# Altium PCB STM32H743VIT6.PcbDoc
Units mm, origin at the board's own origin, x right, y up, seen from the top; angles counter-clockwise.
Board outline 21 x 75 mm, 4 copper layers (Top Layer, Internal Plane 1 (Gnd), Internal Plane 2 (Vcc), Bottom Layer), stack 1.6 mm thick; 94 components, 128 nets, 419 pads, 192 vias.
Unrouted connection lines stored in the file: 77.
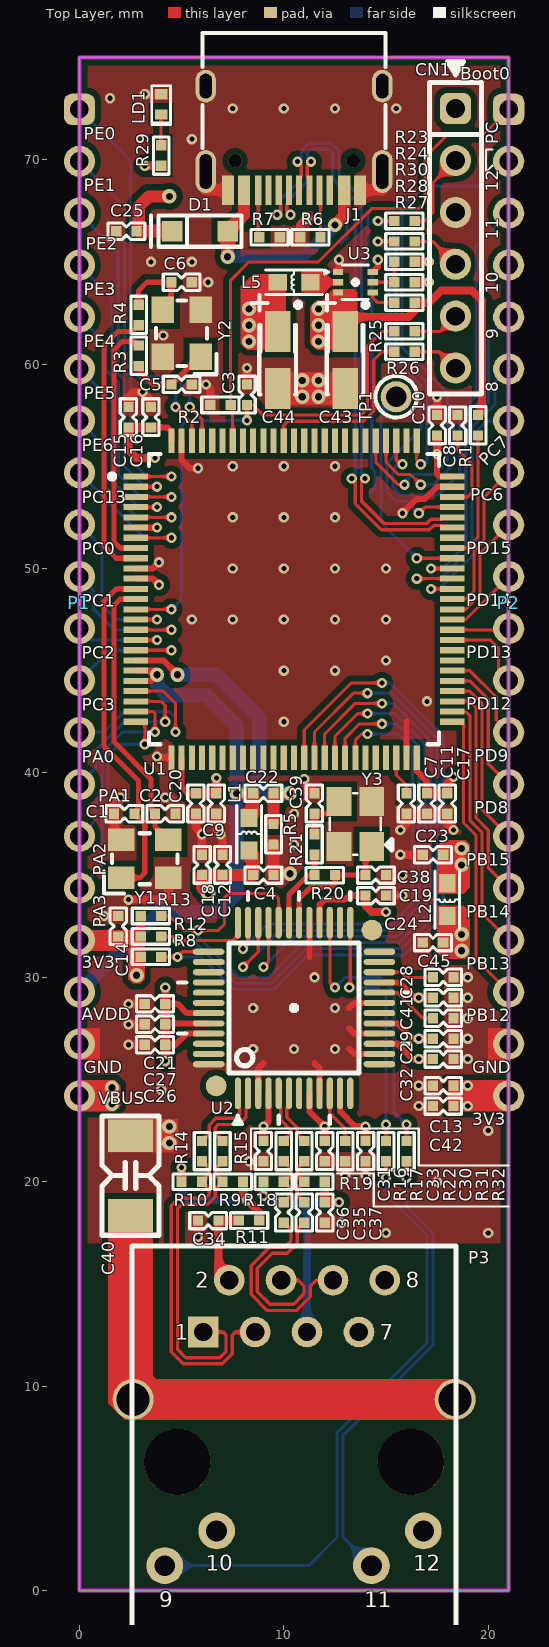
[diagram p0: Top Layer view]
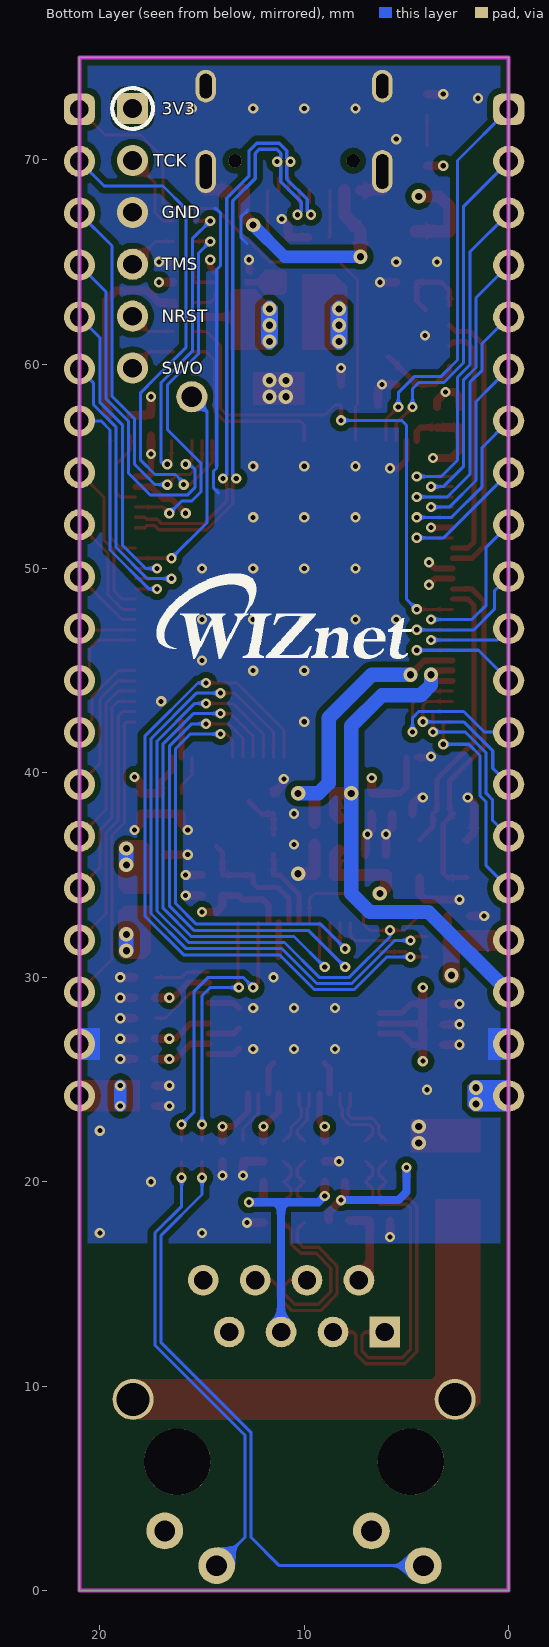
[diagram p1: Bottom Layer view, seen from below]
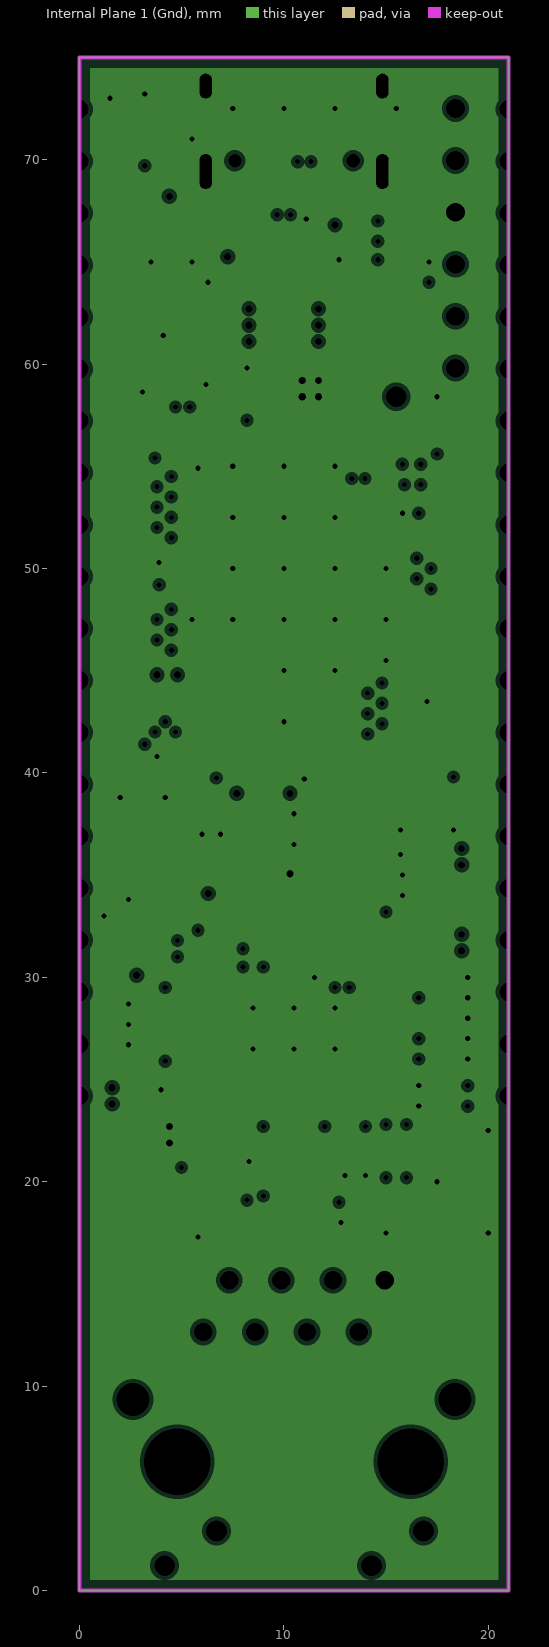
[diagram p2: Internal Plane 1 (Gnd), clearances drawn from the general rule]
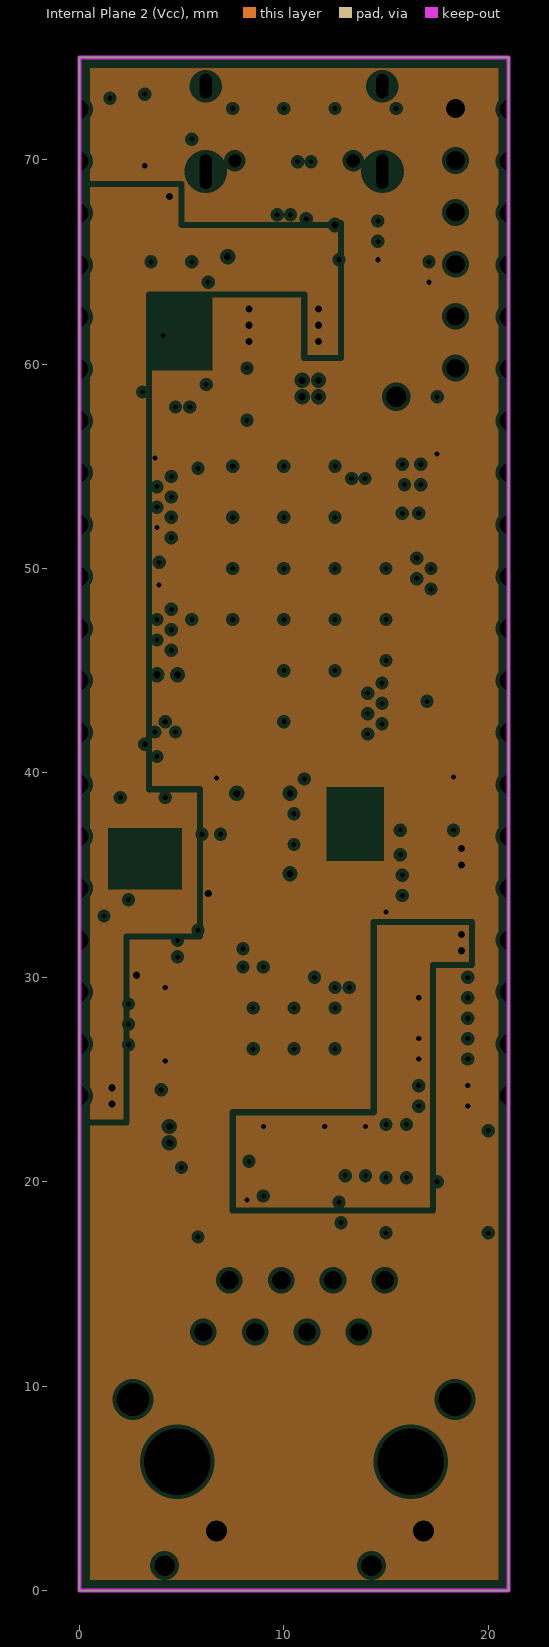
[diagram p3: Internal Plane 2 (Vcc), clearances drawn from the general rule]
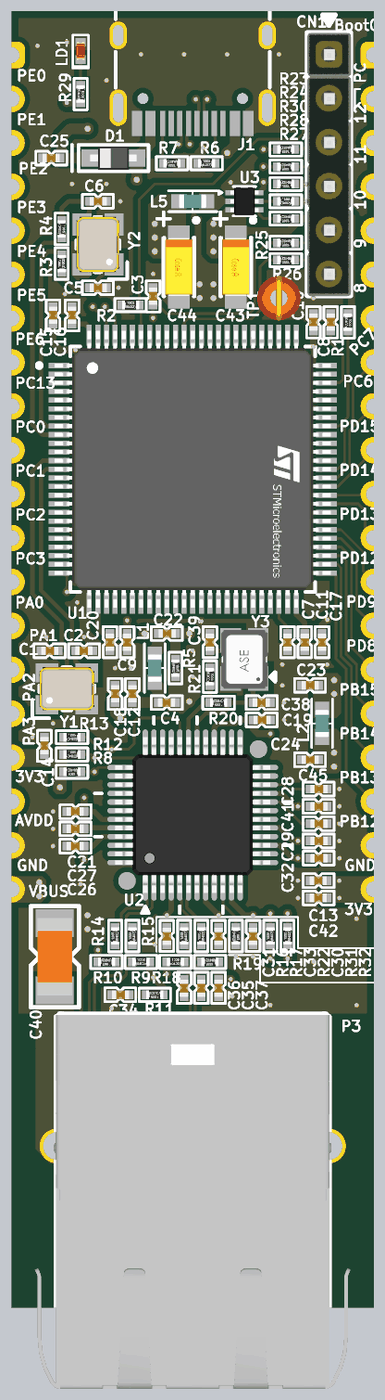
[diagram p4: 3D render of the assembled board from above, using the file's embedded part models]

## Layer stack, top to bottom
Top Solder: solder mask 0.01, Solder Resist, Dk 3.5
Top Layer: signal copper 0.05
Dielectric 1: prepreg 0.1, PP-006, Dk 4.1
Internal Plane 1 (Gnd): plane copper 0.1, net GND
Dielectric1: prepreg 1.1, FR-4, Dk 4.8
Internal Plane 2 (Vcc): plane copper 0.1, net 3V3
Dielectric 2: prepreg 0.1, PP-006, Dk 4.1
Bottom Layer: signal copper 0.05
Bottom Solder: solder mask 0.01, Solder Resist, Dk 3.5

## Board outline
0,0 21,0 21,75 0,75

## Design rules (kind name [scope] priority, off if disabled: settings)
BoardOutlineClearance [All] p1: gap=0.3 ignorepadtopadclearanceinfootprint=FALSE
Clearance [All] p1: gap=0.15 ignorepadtopadclearanceinfootprint=FALSE except(0.2: Arc-Hole Track-Hole SMDPad-Hole THPad-Hole Via-Hole Fill-Hole Poly-Hole Region-Hole Text-Hole; 0.3: Arc-Poly Track-Poly SMDPad-Poly THPad-Poly Via-Poly Fill-Poly Poly-Poly Poly-Region Poly-Text)
DiffPairsRouting [All] p1: maxlimit=0.135 minlimit=0.135 mostfreqgap=0.135 toplayer_minwidth=0.165 toplayer_maxwidth=0.165 toplayer_prefwidth=0.165 bottomlayer_minwidth=0.165 bottomlayer_maxwidth=0.165 bottomlayer_prefwidth=0.165 maxuncoupledlength=15.24
HoleSize [All] p1: absolutevalues=TRUE maxlimit=4.064 minlimit=0.025 maxpercent=80.000 minpercent=20.000
PlaneClearance [All] p1: clearance=0.2
PlaneConnect [All] p1: planeconnectstyle=Direct reliefexpansion=0.508 reliefentries=4 reliefconductorwidth=0.254 reliefairgap=0.254
PolygonConnect [All] p1: connectstyle=Direct reliefconductorwidth=0.6 reliefentries=4 polygonreliefangle="45 Angle" airgapwidth=0.35
RoutingVias [All] p1: holewidth=0.25 width=0.5 viastyle="Through Hole" minholewidth=0.2 minwidth=0.4 maxholewidth=0.4 maxwidth=0.8
SolderMaskExpansion [All] p1: expansion=0 istentingtop=FALSE
Width [All] p1: maxlimit=10 minlimit=0.075 preferedwidth=0.15
26 further rules are at their usual default settings.

## Classes and differential pairs
component class STM32H743VIT6: C1 C2 C3 C4 C5 C6 C7 C8 C9 C10 C11 C12 C13 C14 C15 C16 C17 C18 C19 C20 C21 C22 L1 P1 P2 R1 R2 R3 R4 R5 TP1 U1 Y1 Y2
component class Connector: C23 C24 C25 C26 C27 C28 C29 C30 C31 C32 C33 C34 C35 C36 C37 C38 C39 C40 C41 C42 C43 C44 C45 CN1 D1 J1 L2 L5 LD1 P3 R6 R7 R8 R9 R10 R11 R12 R13 R14 R15 R16 R17 R18 R19 R20 R21 R22 R23 R24 R25 R26 R27 R28 R29 R30 R31 R32 U2 U3 Y3
differential pair NewDifferentialPair7: +NetP3_3 -NetP3_1
differential pair NewDifferentialPair6: +NetR14_2 -NetR15_2
differential pair NewDifferentialPair5: +NetC36_2 -NetC35_2
differential pair NewDifferentialPair3: +NetC36_1 -NetC35_1
differential pair NewDifferentialPair2: +NetR16_2 -NetR17_2
differential pair NewDifferentialPair1: +PA12 -PA11
differential pair NewDifferentialPair4: +NetR15_2 -""

## Components (designator, comment, footprint, x,y, rotation, side; value= is the part's Value field where it differs from the comment)
C1 "18pF" CAP-0402 2.2,38 r0 top
C2 "18pF" CAP-0402 4.2,38 r180 top
C3 "100nF" CAP-0402 8.2,58.5 r90 top value=10nF
C4 "1uF_X5R" CAP-0402 9,35 r180 top
C5 "12pF" CAP-0402 5,59 r0 top
C6 "12pF" CAP-0402 5,64 r0 top
C7 "2.2uF_X7R" CAP-0402 16,38.5 r270 top value=2.2uF
C8 "2.2uF_X7R" CAP-0402 18.5,57 r90 top value=2.2uF
C9 "100nF" CAP-0402 6.7,38.5 r270 top value=10nF
C10 "100nF" CAP-0402 17.5,57 r90 top value=10nF
C11 "100nF" CAP-0402 17,38.5 r270 top value=10nF
C12 "100nF" CAP-0402 7,35.5 r90 top value=10nF
C13 "100nF" CAP-0402 17.8,24.7 r180 top value=10nF
C14 "100nF" CAP-0402 1.9,32.5 r90 top value=10nF
C15 "100nF" CAP-0402 2.4,57.4 r90 top value=10nF
C16 "100nF" CAP-0402 3.5,57.4 r90 top value=10nF
C17 "100nF" CAP-0402 18,38.5 r270 top value=10nF
C18 "100nF" CAP-0402 6,35.5 r90 top value=10nF
C19 "100nF" CAP-0402 14.5,34 r0 top value=10nF
C20 "100nF" CAP-0402 5.7,38.5 r270 top value=10nF
C21 "4.7uF_X5R" CAP-0402 3.7,28.7 r180 top value=1킚
C22 "100nF" CAP-0402 9,39 r0 top value=10nF
C23 "1uF_X5R" CAP-0402 17.3,36 r0 top
C24 "1uF_X5R" CAP-0402 17.3,31.7 r0 top
C25 "100nF" CAP-0402 2.3,66.5 r180 top value=10nF
C26 "100nF" CAP-0402 3.7,26.7 r180 top value=10nF
C27 "100nF" CAP-0402 3.7,27.7 r180 top value=10nF
C28 "100nF" CAP-0402 17.8,29 r0 top value=10nF
C29 "100nF" CAP-0402 17.8,27 r0 top value=10nF
C30 "100nF" CAP-0402 14,21.5 r270 top value=10nF
C31 "100nF" CAP-0402 9,21.5 r270 top value=10nF
C32 "100nF" CAP-0402 17.8,26 r0 top value=10nF
C33 "100nF" CAP-0402 12,21.5 r270 top value=10nF
C34 "22nF" CAP-0402 6.3,18.1 r0 top
C35 "6.8nF" CAP-0402 11,18.5 r270 top
C36 "6.8nF" CAP-0402 10,18.5 r270 top
C37 "100nF" CAP-0402 12,18.5 r270 top value=10nF
C38 "18pF" CAP-0402 14.5,35 r180 top
C39 "18pF" CAP-0402 11.5,38.5 r270 top
C40 "1nF/2kV" CAP-1808 2.5,20.3 r270 top
C41 "4.7uF_X5R" CAP-0402 17.8,28 r0 top value=1킚
C42 "100nF" CAP-0402 17.8,23.7 r180 top value=10nF
C43 "22uF/25V" "CAP-A Size-(2+)" 13,60.2 r270 top
C44 "22uF/25V" "CAP-A Size-(2+)" 9.7,60.2 r270 top
C45 "100nF" CAP-0402 17.8,30 r0 top value=10nF
CN1 "Header 6X1" IDC-1X6 18.4,72.5 r270 top
D1 "BAT60A" SOD-323(1-C,2-A) 5.9,66.5 r180 top
J1 "USB C type 16pin" USB-C-ED-UC-024 10.5,68.5 r180 top
L1 "HH-1M1608-121JT" IND-0603 8.3,37 r90 top
L2 "HH-1M1608-121JT" IND-0603 18,33.8 r270 top
L5 "HH-1M1608-121JT" IND-0603 10.5,64 r180 top
LD1 "RED-0402" LED-0402-RED 4,72.7 r90 top
P1 "Header 20" IDC-1X20 0,72.46 r270 top
P2 "Header 20" IDC-1X20 21,72.46 r270 top
P3 "J1B1211CCD" RJ45-J1B1211CCD 10.5,-1.5 r0 top
R1 "10K" RES-0402 19.5,57 r270 top
R2 "10K" RES-0402 6.9,58 r0 top value=1K
R3 "0R/1%" RES-0402 2.9,60.4 r90 top
R4 "0R/1%" RES-0402 2.9,62.4 r270 top
R5 "0R/1%" RES-0402 9.5,37 r270 top
R6 "5.1K" RES-0402 11.3,66.2 r0 top value=10K
R7 "5.1K" RES-0402 9.3,66.2 r180 top value=10K
R8 "4.7K" RES-0402 3.5,31 r180 top
R9 "49.9R" RES-0402 7.5,20 r0 top
R10 "49.9R" RES-0402 5.5,20 r180 top
R11 "10R/1%" RES-0402 8.3,18.1 r180 top
R12 "4.7K" RES-0402 3.5,32 r0 top
R13 "4.7K" RES-0402 3.5,33 r0 top
R14 "3.3R" RES-0402 6,21.5 r90 top
R15 "3.3R" RES-0402 7,21.5 r90 top
R16 "3.3R" RES-0402 10,21.5 r90 top
R17 "3.3R" RES-0402 11,21.5 r90 top
R18 "49.9R" RES-0402 9.5,20 r0 top
R19 "49.9R" RES-0402 11.5,20 r180 top
R20 "1M" RES-0402 12,35 r180 top
R21 "0R/1%" RES-0402 11.5,36.5 r270 top
R22 "12.4K/1%" RES-0402 13,21.5 r270 top
R23 "22R" RES-0402 15.9,67 r180 top value=10K
R24 "22R" RES-0402 15.9,66 r180 top value=10K
R25 "22R" RES-0402 15.9,61.6 r180 top value=10K
R26 "22R" RES-0402 15.9,60.6 r180 top value=10K
R27 "100K/1%" RES-0402 15.9,63 r180 top
R28 "200K/1%" RES-0402 15.9,64 r0 top
R29 "470R" RES-0402 4,70.2 r270 top
R30 "44.2K/1%" RES-0402 15.9,65 r180 top
R31 "470R" RES-0402 15,21.5 r90 top
R32 "470R" RES-0402 16,21.5 r90 top
TP1 "USB_SOF" TP 15.5,58.4 r180 top
U1 "STM32H743VIT6" FP-LQFP100-1L-MFG 10.5,48.5 r0 top
U2 "W5500" LQFP48(0.5/9.0) 10.5,28.5 r90 top
U3 "MP1602GTF-Z" SOT-563 13.5,64 r270 top
Y1 "25MHz" OSC-S3225A 3.2,35.8 r0 top
Y2 "32.768KHz" OSC-S3225A 5,61.5 r90 top
Y3 "25MHz" OSC-82J0626 13.5,37.5 r90 top

## Footprints (in the part's own frame and the unit in brackets; to place one, negate y for a bottom-side part, rotate by r counter-clockwise, add the part's x,y. Pads: shape width x height; smd on the part's side, far side on the other; paste and mask are expansions set on the pad)
CAP-0402 [mm]
  rect 0.5x0.5 smd: 1(-0.5,0) 2(0.5,0)
  silkscreen extent -0.9,-0.4 0.9,0.4, body extent -0.48,-0.25 0.52,0.25, height 0.6
CAP-1808 [mm] "Ceramic CAP 1808(4520)"
  rect 1.6x2.2 smd: 1(-1.95,0) 2(1.95,0)
  silkscreen extent -2.92,-1.4 2.92,1.4, body extent -2.25,-1.02 2.25,1.01, height 2
"CAP-A Size-(2+)" [mm] "Tantal CAP A Size EIA/IECQ 3216"
  rect 2x1.25 smd: 1(1.4,0) 2(-1.4,0)
  silkscreen extent -3.17,-1.27 1.7,1.12, body extent -1.7,-0.8 1.7,0.8, height 1.75
FP-LQFP100-1L-MFG [mm]
  rect 1.2x0.3 smd paste+0 mask+0: 1(-7.75,6) 2(-7.75,5.5) 3(-7.75,5) 4(-7.75,4.5) 5(-7.75,4) 6(-7.75,3.5) 7(-7.75,3) 8(-7.75,2.5) 9(-7.75,2) 10(-7.75,1.5) 11(-7.75,1) 12(-7.75,0.5) 13(-7.75,0) 14(-7.75,-0.5) 15(-7.75,-1) 16(-7.75,-1.5) 17(-7.75,-2) 18(-7.75,-2.5) 19(-7.75,-3) 20(-7.75,-3.5) 21(-7.75,-4) 22(-7.75,-4.5) 23(-7.75,-5) 24(-7.75,-5.5) 25(-7.75,-6) 51(7.75,-6) 52(7.75,-5.5) 53(7.75,-5) 54(7.75,-4.5) 55(7.75,-4) 56(7.75,-3.5) 57(7.75,-3) 58(7.75,-2.5) 59(7.75,-2) 60(7.75,-1.5) 61(7.75,-1) 62(7.75,-0.5) 63(7.75,0) 64(7.75,0.5) 65(7.75,1) 66(7.75,1.5) 67(7.75,2) 68(7.75,2.5) 69(7.75,3) 70(7.75,3.5) 71(7.75,4) 72(7.75,4.5) 73(7.75,5) 74(7.75,5.5) 75(7.75,6)
  rect 0.3x1.2 smd paste+0 mask+0: 26(-6,-7.75) 27(-5.5,-7.75) 28(-5,-7.75) 29(-4.5,-7.75) 30(-4,-7.75) 31(-3.5,-7.75) 32(-3,-7.75) 33(-2.5,-7.75) 34(-2,-7.75) 35(-1.5,-7.75) 36(-1,-7.75) 37(-0.5,-7.75) 38(0,-7.75) 39(0.5,-7.75) 40(1,-7.75) 41(1.5,-7.75) 42(2,-7.75) 43(2.5,-7.75) 44(3,-7.75) 45(3.5,-7.75) 46(4,-7.75) 47(4.5,-7.75) 48(5,-7.75) 49(5.5,-7.75) 50(6,-7.75) 76(6,7.75) 77(5.5,7.75) 78(5,7.75) 79(4.5,7.75) 80(4,7.75) 81(3.5,7.75) 82(3,7.75) 83(2.5,7.75) 84(2,7.75) 85(1.5,7.75) 86(1,7.75) 87(0.5,7.75) 88(0,7.75) 89(-0.5,7.75) 90(-1,7.75) 91(-1.5,7.75) 92(-2,7.75) 93(-2.5,7.75) 94(-3,7.75) 95(-3.5,7.75) 96(-4,7.75) 97(-4.5,7.75) 98(-5,7.75) 99(-5.5,7.75) 100(-6,7.75)
  silkscreen extent -9.02,-7.1 7.1,7.1, body extent -8.45,-8.45 8.45,8.45, height 0.25
IDC-1X6 [mil] "6-Way 2.54 mm Male Header"
  rrect50% 60x60 hole 36: 1(0,0)
  round 60 hole 36: 2(100,0) 3(200,0) 4(300,0) 5(400,0) 6(500,0)
  silkscreen extent -90,-50 550,50, body extent -49,-49 551,51, height 336
IDC-1X20 [mil]
  rrect50% 60x60 hole 36: 1(0,0)
  round 60 hole 36: 2(100,0) 3(200,0) 4(300,0) 5(400,0) 6(500,0) 7(600,0) 8(700,0) 9(800,0) 10(900,0) 11(1000,0) 12(1100,0) 13(1200,0) 14(1300,0) 15(1400,0) 16(1500,0) 17(1600,0) 18(1700,0) 19(1800,0) 20(1900,0)
IND-0603 [mm] "Inductor 0603(1608)"
  rect 0.89x0.82 smd: 1(-0.8,0) 2(0.8,0)
  silkscreen extent -1.4,-0.6 1.4,0.6, body extent -0.8,-0.4 0.8,0.4, height 0.95
LED-0402-RED [mm]
  rect 0.5x0.6 smd: 1(-0.5,0) 2(0.5,0)
  silkscreen extent -1,-0.46 0.91,0.46, body extent -0.5,-0.25 0.51,0.25, height 0.45
LQFP48(0.5/9.0) [mm]
  round 1.016 smd: 0(-3.81,3.81) 0(3.81,-3.81)
  oval 1.55x0.3 smd: 1(-4.175,2.75) 2(-4.175,2.25) 3(-4.175,1.75) 4(-4.175,1.25) 5(-4.175,0.75) 6(-4.175,0.25) 7(-4.175,-0.25) 8(-4.175,-0.75) 9(-4.175,-1.25) 10(-4.175,-1.75) 11(-4.175,-2.25) 12(-4.175,-2.75) 25(4.175,-2.75) 26(4.175,-2.25) 27(4.175,-1.75) 28(4.175,-1.25) 29(4.175,-0.75) 30(4.175,-0.25) 31(4.175,0.25) 32(4.175,0.75) 33(4.175,1.25) 34(4.175,1.75) 35(4.175,2.25) 36(4.175,2.75)
  oval 0.3x1.55 smd: 13(-2.75,-4.175) 14(-2.25,-4.175) 15(-1.75,-4.175) 16(-1.25,-4.175) 17(-0.75,-4.175) 18(-0.25,-4.175) 19(0.25,-4.175) 20(0.75,-4.175) 21(1.25,-4.175) 22(1.75,-4.175) 23(2.25,-4.175) 24(2.75,-4.175) 37(2.75,4.175) 38(2.25,4.175) 39(1.75,4.175) 40(1.25,4.175) 41(0.75,4.175) 42(0.25,4.175) 43(-0.25,4.175) 44(-0.75,4.175) 45(-1.25,4.175) 46(-1.75,4.175) 47(-2.25,4.175) 48(-2.75,4.175)
  silkscreen extent -5.67,-5.67 5.68,5.68, body extent -4.5,-4.5 4.5,4.5, height 1.5
OSC-82J0626 [mm]
  rect 1.4x1.2 smd: 1(-1.1,-0.8) 2(1.1,-0.8) 3(1.1,0.8) 4(-1.1,0.8)
  silkscreen extent -1.5,-1.78 1.5,1.25, body extent -1.7,-1.35 1.7,1.35, height 1.06
OSC-S3225A [mm] "JYOD3"
  rect 1.3x1.1 smd: 1(-1.15,-0.925) 2(1.15,-0.925) 3(1.15,0.925) 4(-1.15,0.925)
  silkscreen extent -2,-1.7 1.6,1.25, body extent -1.6,-1.25 1.6,1.25, height 0.61
RES-0402 [mm]
  rect 0.5x0.5 smd: 1(-0.5,0) 2(0.5,0)
  silkscreen extent -0.91,-0.38 0.91,0.38, body extent -0.5,-0.25 0.5,0.25, height 0.35
RJ45-J1B1211CCD [mm]
  round 3.25 hole 3.25 unplated: 0(-5.715,7.8) 0(5.715,7.8)
  rect 1.5x1.5 hole 0.9: 1(-4.445,14.15)
  round 1.5 hole 0.9: 2(-3.175,16.69) 3(-1.905,14.15) 4(-0.635,16.69) 5(0.635,14.15) 6(1.905,16.69) 7(3.175,14.15) 8(4.445,16.69)
  round 1.8 hole 1.02: 9(-6.325,2.72) 10(-3.785,4.42) 11(3.785,2.72) 12(6.325,4.42)
  round 2 hole 1.6: S1(-7.875,10.85) S2(7.875,10.85)
  silkscreen extent -7.93,-2.95 7.93,18.35, body extent -9.16,-3.2 9.16,18.64, height 15.09
SOD-323(1-C,2-A) [mm]
  rect 1x1 smd: 1(1.35,0) 2(-1.35,0)
  silkscreen extent -2.03,-0.76 2.4,0.76, body extent -1.35,-0.68 1.35,0.67, height 0.79
SOT-563 [mm]
  rect 0.3x0.5 smd: 1(-0.5,-0.85) 2(0,-0.85) 3(0.5,-0.85) 4(0.5,0.85) 5(0,0.85) 6(-0.5,0.85)
  silkscreen extent -0.85,-1.5 0.85,0.65, body extent -0.8,-0.81 0.8,0.81, height 0.58
TP [mil]
  round 60 hole 40: 1(0,0)
  silkscreen extent -40,-40 40,40, body extent -50,-52 50,52, height 62
USB-C-ED-UC-024 [mm]
  round 0.65 hole 0.65 unplated: 0(-2.89,-1.445) 0(2.89,-1.445)
  oval 1x1.6 hole 0.6 slot 1.2 at 90 deg: 1(4.32,-5.095) 4(-4.32,-5.095)
  oval 1x2.1 hole 0.6 slot 1.7 at 90 deg: 2(4.32,-0.915) 3(-4.32,-0.915)
  rect 0.3x1.45 smd: A1(-3.225,0) A4(-2.45,0) A5(-1.25,0) A6(-0.25,0) A7(0.25,0) A8(1.25,0) B1(3.225,0) B4(2.45,0) B5(1.75,0) B6(0.75,0) B7(-0.75,0) B8(-1.75,0)
  rect 0.6x1.45 smd: A9(2.45,0) A12(3.225,0) B9(-2.45,0) B12(-3.225,0)
  silkscreen extent -4.47,-7.7 4.47,-2.07, body extent -4.47,-7.7 4.47,-0.4, height 3.21

## Part data
C1 C2 C4 C23 C24 C34 C35 C36 C38 C39: library part CAP-0402, "Ceramic CAP 0402(1005)"
C3 C9 C10 C11 C12 C13 C14 C15 C16 C17 C18 C19 C20 C22 C25 C26 C27 C28 C29 C30 C31 C32 C33 C37 C42 C45: library part Cap, "0402", Published=8-Jun-2000, Publisher="Altium Limited", Revision="July-2002: Re-released for DXP Platform."
C5 C6: library part CAP, "0402"
C7 C8: library part Cap_2.2uF_X7R_10%_0805, "0402 X5R", Manuf_1=YAGEO, Manuf_Part_1=CC0805KKX7R7BB225, Order=CC0805KKX7R7BB225, Revision="July-2002: Re-released for DXP Platform."
C21 C41: library part "CAP SMD 0603  X5R 1킚 25V 10%", "0402  X5R 4.7uF", Rated voltage=25V, Temperature Max=+125캜, Temperature Min=-55캜, Tolerance=10%, Order code Farnell=1288202RL, Technology=X5R
C40: library part CAP-1808, "Ceramic CAP 1808(4520)"
C43 C44: library part CMP-03017-000014-1, "Chip Tantal A size 22uF 25V", Capacitance=100uF, Case Code (Imperial)=1206, Case Code (Metric)=3216, ESR (Equivalent Series Resistance)=45mR, Max Operating Temperature=105°C, Min Operating Temperature=-55°C, Tolerance=20%, Voltage Rating=6.3V, Case/Package=1206, Features="General Purpose", Life (Hours)=2000Hour, Mount="Surface Mount", Packaging="Tape and Reel", RoHS Compliant=Yes
CN1: "Header, 6-Pin, Single row", LatestRevisionDate=17-Jul-2002, LatestRevisionNote="Re-released for DXP Platform.", Publisher="Altium Limited"
D1: library part DIODE-BAT60A, "Silicon Schottky Diode"
J1: library part CMP-04767-000014-1
L1 L2 L5: library part IND-0603, "Inductor 0603(1608)"
LD1: library part LED-0603, "LED-0402"
P1 P2: "Header, 20-Pin", LatestRevisionDate=17-Jul-2002, LatestRevisionNote="Re-released for DXP Platform.", Publisher="Altium Limited"
R1: library part Resistor_ST, "0402"
R2: library part res1, "Resistor", Published=8-Jun-2000, Publisher="Altium Limited", Revision="July-2002: Re-released for DXP Platform."
R3 R4 R5 R8 R9 R10 R11 R12 R13 R14 R15 R16 R17 R18 R19 R20 R21 R22 R27 R28 R29 R30 R31 R32: library part RES-0402, "RES-0402"
R6 R7 R23 R24 R25 R26: library part Resistor_ST, "RES-0402"
TP1: library part TP
U1: library part CMP-12105-000050-1, "IC MCU 32BIT 2MB FLASH 100LQFP", Ambient Temperature Range High=+85°C, Ambient Temperature Range Low=-40°C, Frequency=480MHz, Manufacturer=STMicroelectronics, Max Junction Temp=+125°C, Max Supply Voltage=3.6V, Min Supply Voltage=1.71V, Package=LQFP100-1L, Temperature="-40°C to +125°C", Automotive=No, Category=IC, ComponentLink2Description=Datasheet, ComponentLink2URL=https://www.st.com/resource/en/datasheet/stm32h743vi.pdf, Core Architecture="Arm Cortex-M7", Data Bus Width=32bits, Device Class L1="Integrated Circuits (ICs)", Device Class L2="Embedded Processors and Controllers", Device Class L3=Microcontrollers, Digikey Description="IC MCU 32BIT 2MB FLASH 100LQFP", HEIGHT=1.6mm, Interface=I2C,SPI,UART,USART,USB,LIN,IrDA,Ethernet,I2S,Other, Ipc Land Pattern Name=QFP50P1600X1600X160-100, Lead Free=Yes, Manufacturer Part Number=STM32H743VIT6, Memory Size=2MBytes, Memory Type=FLASH, Number Of A/D Converters=3, Number Of Adc Channels=36, Number Of Cores=1, Number Of Ethernet Channels=1, Number Of I2C Channels=4, Number Of I/Os=82, Number Of Pwm Channels=42, Number Of Spi Channels=6, Number Of Timers/Counters=20, Number Of Uart Channels=9, Number Of Usb Channels=2, Octopart=https://octopart.com/stm32h743vit6-stmicroelectronics-76372527, Ram Size=1060KBytes, RoHS=TRUE, Standoff Height=0.05mm, Temperature Range High=+125°C, Temperature Range Low=-40°C
U2: "WIZnet Hardwired TCP/IP Chip"
U3: library part CMP-04918-000669-1, "monolithic, step-down, switchmode converter with built-in internal power MOSFETs. It achieves 2A continuous output current from a 2.5V-to-5.5V input voltage with excellent load and line regulation. The output voltage can be regulated to as low as 0.6V.", RoHS Compliant=Yes
Y1 Y2 Y3: library part OSC-82J0626-25MHz, "X-tal 25MHz,3.2x2.5 SMD, CL=18pF"

## Free pads (board coordinates)
  round 0 on Mech16 paste+0 mask+0: 1(71.2,16.4) 1(74.4,35.9)

## Via types
v1: diameter 0.5, hole 0.25, Top Layer to Bottom Layer, tented both sides, 164 vias
v2: diameter 0.7, hole 0.35, Top Layer to Bottom Layer, tented both sides, 28 vias
